# KiCad board Placa-Adaptadora.kicad_pcb
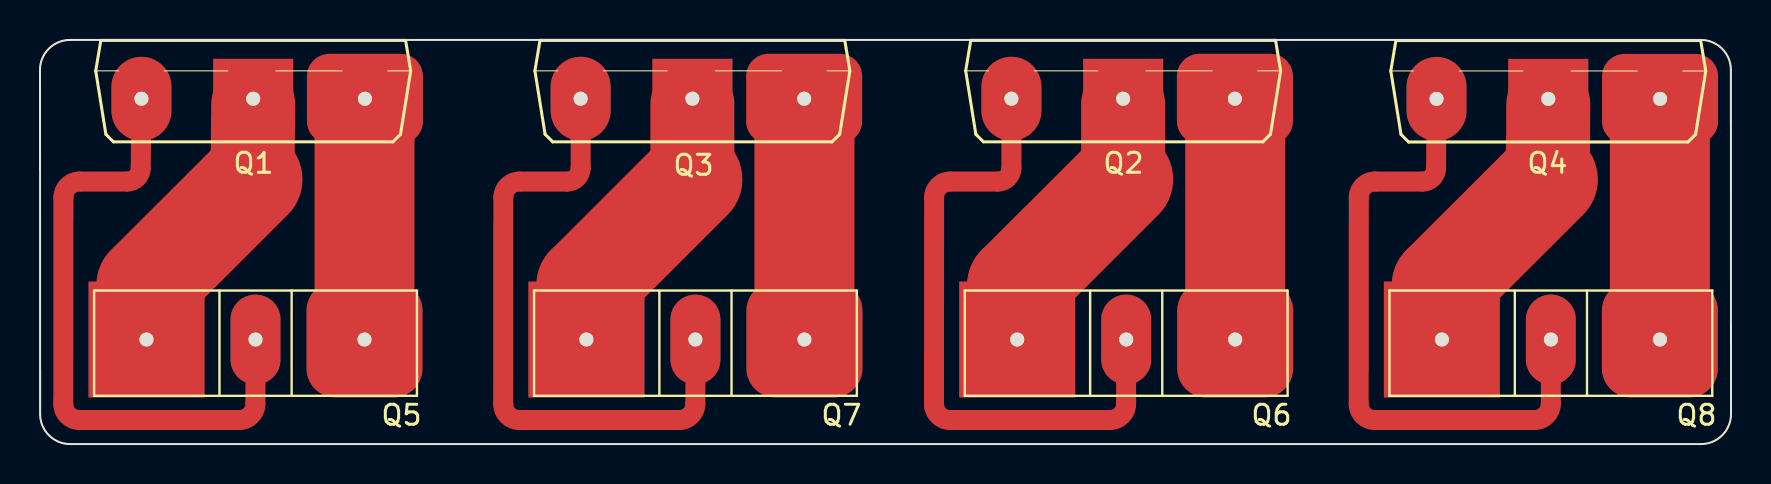
[diagram p0: board, top side]
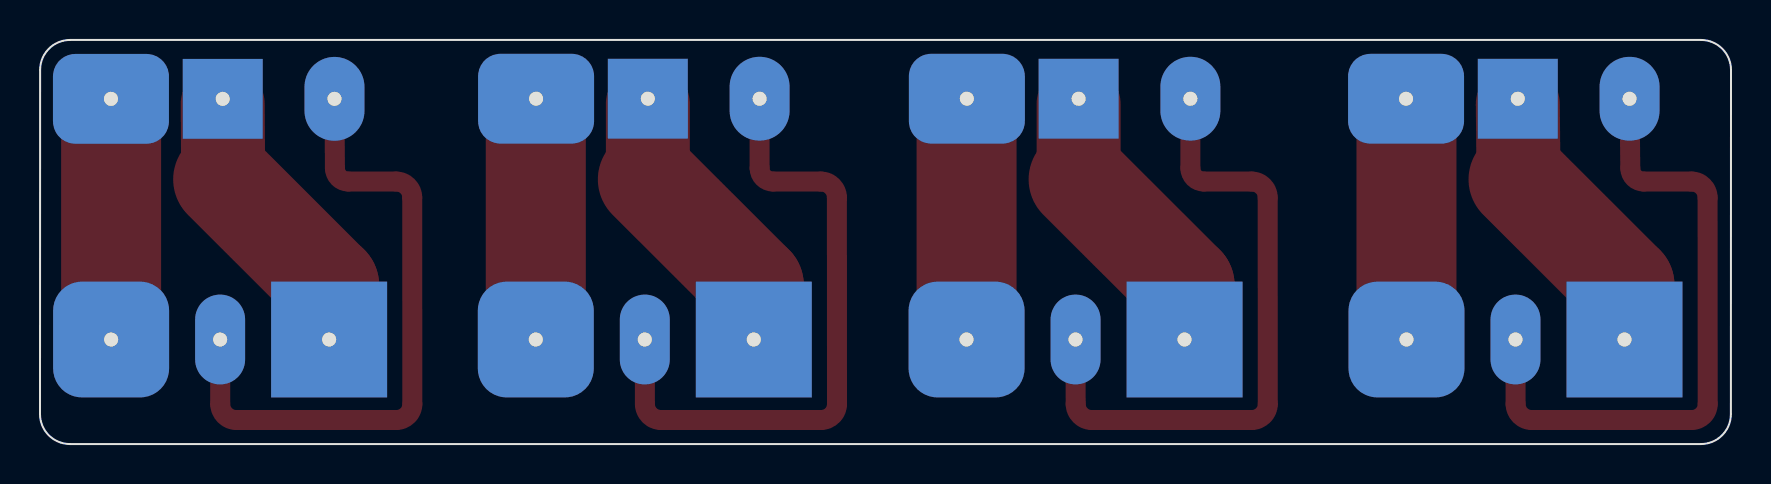
[diagram p1: board, bottom side, seen from below]

Outline 84.55 x 20.23 mm; copper layers: Top, Bottom. Coordinates in mm from the lower left corner of the outline.
Outline path: 0,18.73 arc(0.44,19.8) 1.5,20.23 83.05,20.23 arc(84.11,19.8) 84.55,18.73 84.55,1.5 arc(84.11,0.44) 83.05,0 1.51,0 arc(0.45,0.44) 0.01,1.5 0,18.73
Stack: Top 0.035mm / dielectric 1.51mm FR4 er 4.5 / Bottom 0.035mm

## Placement (name value [footprint] x y rotation side)
Q1  IRFP150  [TO247BV]  10.66 20.21 0 top
Q2  IRFP150  [TO247BV]  54.16 20.21 0 top
Q3  IRFP150  [TO247BV]  32.62 20.21 0 top
Q4  IRFP150  [TO247BV]  75.42 20.21 0 top
Q5  IRFP150  [TO-247-3_Vertical]  5.33 5.23 0 top
Q6  IRFP150  [TO-247-3_Vertical]  48.86 5.23 0 top
Q7  IRFP150  [TO-247-3_Vertical]  27.32 5.23 0 top
Q8  IRFP150  [TO-247-3_Vertical]  70.1 5.23 0 top

## Footprints (pads in the part's own frame, mm; a bottom-side part is the same pattern mirrored in y, then rotated)
TO247BV
  rect 4x4 hole 0.7: D(0,-2.921)
  oval 3x4.2 hole 0.7: G(-5.588,-2.921)
  rrect 5.8x4.5 hole 0.7: S(5.588,-2.921)
TO-247-3_Vertical
  rect 5.8x5.8 hole 0.7: 1(0,0)
  oval 2.5x4.5 hole 0.7: 2(5.45,0)
  rrect 5.8x5.8 hole 0.7: 3(10.9,0)

## Nets
Net-(Q2-PadD): Q2.D Q6.1
Net-(Q2-PadS): Q2.S Q6.3
Net-(Q4-PadD): Q4.D Q8.1
Net-(Q4-PadS): Q4.S Q8.3
Net-(Q5-Pad1): Q1.D Q5.1
Net-(Q5-Pad2): Q1.G Q5.2
Net-(Q5-Pad3): Q1.S Q5.3
Net-(Q6-Pad2): Q2.G Q6.2
Net-(Q7-Pad1): Q3.D Q7.1
Net-(Q7-Pad2): Q3.G Q7.2
Net-(Q7-Pad3): Q3.S Q7.3
Net-(Q8-Pad2): Q4.G Q8.2

## Routing (per net, layer and track width the routed paths; a pad name or vN(x,y) marks a point on that pad's centre or on a via; arc(x,y) is an arc through that point)
Net-(Q2-PadD): length 14
  Top w4.2: 54.16,13.25 54.16,17.01
  Top w5: 54.16,13.25 48.86,7.96 Q6.1
Net-(Q2-PadS): length 11.8
  Top w0.25: 59.76,15.91 arc(59.76,15.92) 59.75,15.93 ; 59.76,17.28 arc(59.76,17.29) Q2.S
  Top w5: Q6.3 59.76,17.01
Net-(Q4-PadD): length 14
  Top w4.2: 75.39,13.25 75.42,17.01
  Top w5: 75.39,13.25 70.1,7.96 Q8.1
Net-(Q4-PadS): length 11.8
  Top w0.25: 81,15.91 arc(81,15.92) 81,15.92 ; 81,17.28 arc(81,17.28) Q4.S
  Top w5: Q8.3 81,17.01
Net-(Q5-Pad1): length 14
  Top w4.2: 10.62,13.25 10.66,17.01
  Top w5: Q5.1 5.33,7.96 10.62,13.25
Net-(Q5-Pad2): length 32.3
  Top w1: Q5.2 10.77,2.01 arc(10.54,1.44) 9.97,1.2 1.97,1.2 arc(1.4,1.44) 1.17,2 1.17,12.34 arc(1.4,12.91) 1.97,13.14 4.37,13.14 arc(4.84,13.34) 5.04,13.81 Q1.G
Net-(Q5-Pad3): length 11.9
  Top w0.25: Q5.3 16.25,5.26 ; 16.23,15.9 arc(16.23,15.92) 16.25,15.92 ; 16.23,17.27 arc(16.23,17.28) Q1.S
  Top w5: Q5.3 16.23,17.01
Net-(Q6-Pad2): length 32.3
  Top w1: Q2.G 48.57,13.81 arc(48.38,13.34) 47.91,13.14 45.51,13.14 arc(44.94,12.91) 44.71,12.34 44.7,2 arc(44.94,1.44) 45.5,1.2 53.5,1.2 arc(54.07,1.44) 54.31,2.01 Q6.2
Net-(Q7-Pad1): length 14
  Top w4.2: 32.62,13.25 32.62,17.01
  Top w5: 32.62,13.25 27.32,7.96 Q7.1
Net-(Q7-Pad2): length 32.3
  Top w1: Q3.G 27.03,13.81 arc(26.84,13.34) 26.37,13.14 23.97,13.14 arc(23.4,12.91) 23.17,12.34 23.16,2 arc(23.4,1.44) 23.96,1.2 31.96,1.2 arc(32.53,1.44) 32.77,2.01 Q7.2
Net-(Q7-Pad3): length 11.8
  Top w0.25: 38.22,15.91 arc(38.22,15.92) 38.21,15.93 ; 38.22,17.28 arc(38.22,17.29) Q3.S
  Top w5: Q7.3 38.22,17.01
Net-(Q8-Pad2): length 32.3
  Top w1: Q4.G 69.81,13.81 arc(69.61,13.34) 69.14,13.14 66.74,13.14 arc(66.17,12.91) 65.94,12.34 65.94,2 arc(66.17,1.44) 66.74,1.2 74.74,1.2 arc(75.31,1.44) 75.54,2.01 Q8.2
